# Altium PCB GL3520.PcbDoc
Units mm, origin at the board's own origin, x right, y up, seen from the top; angles counter-clockwise.
Board outline 100 x 30 mm, 2 copper layers (Top Layer, Bottom Layer), stack 1.135 mm thick; 80 components, 78 nets, 351 pads, 143 vias.
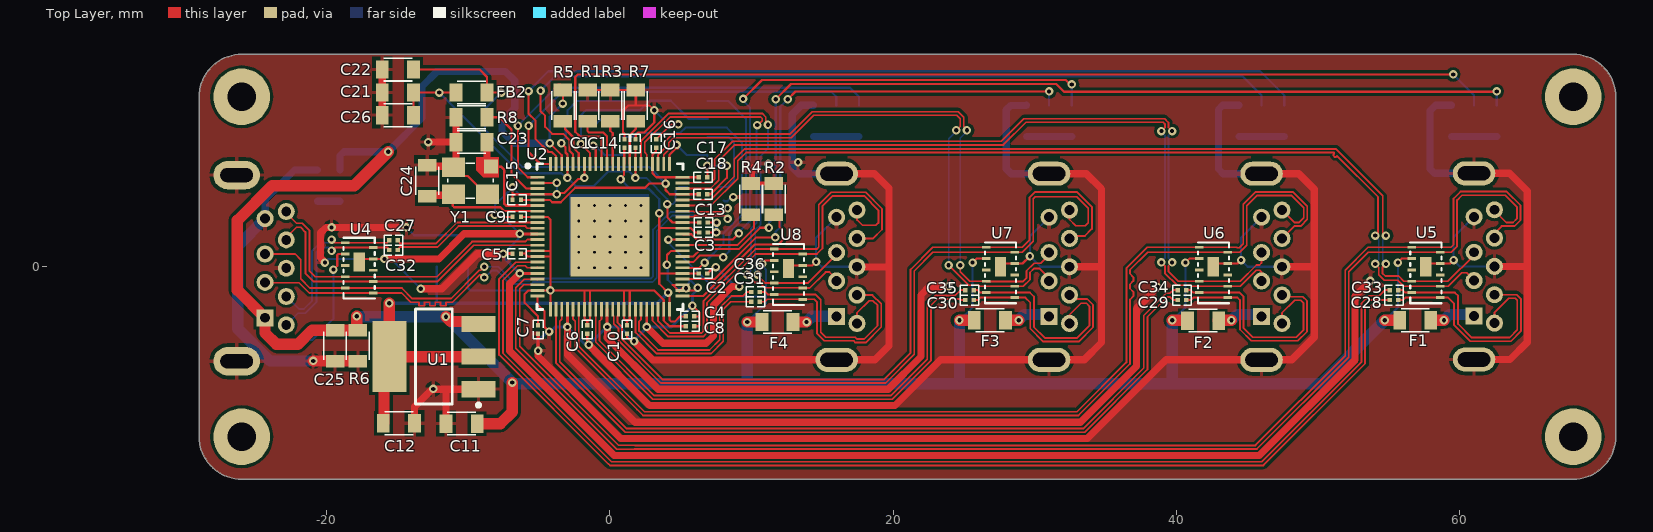
[diagram p0: Top Layer view]
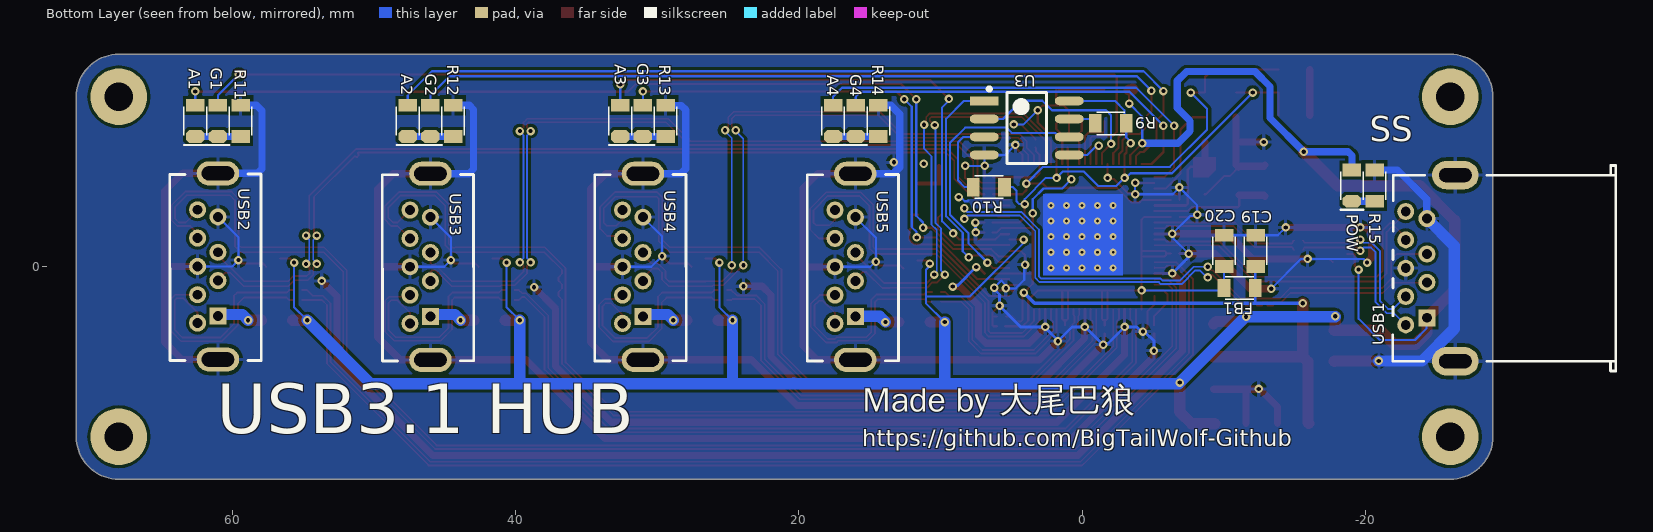
[diagram p1: Bottom Layer view, seen from below]
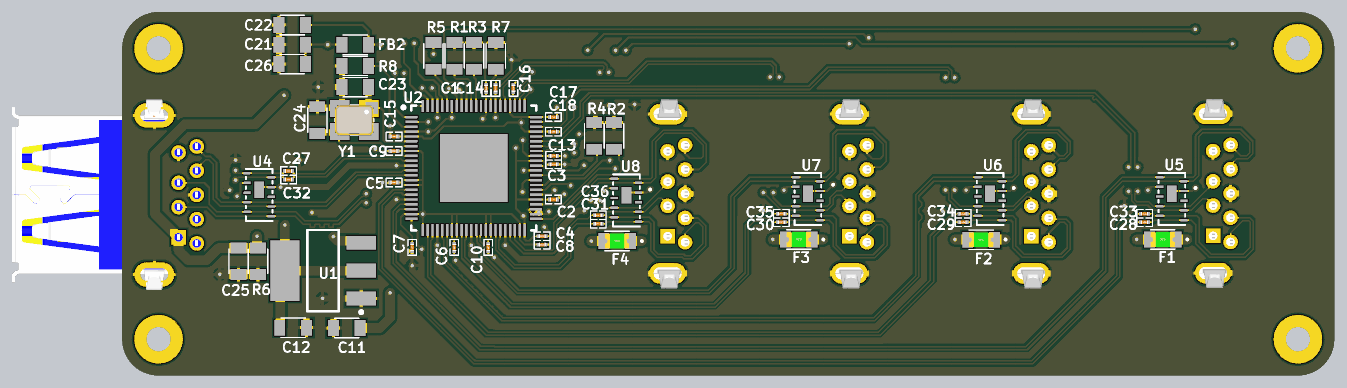
[diagram p2: 3D render of the assembled board from above, using the file's embedded part models]
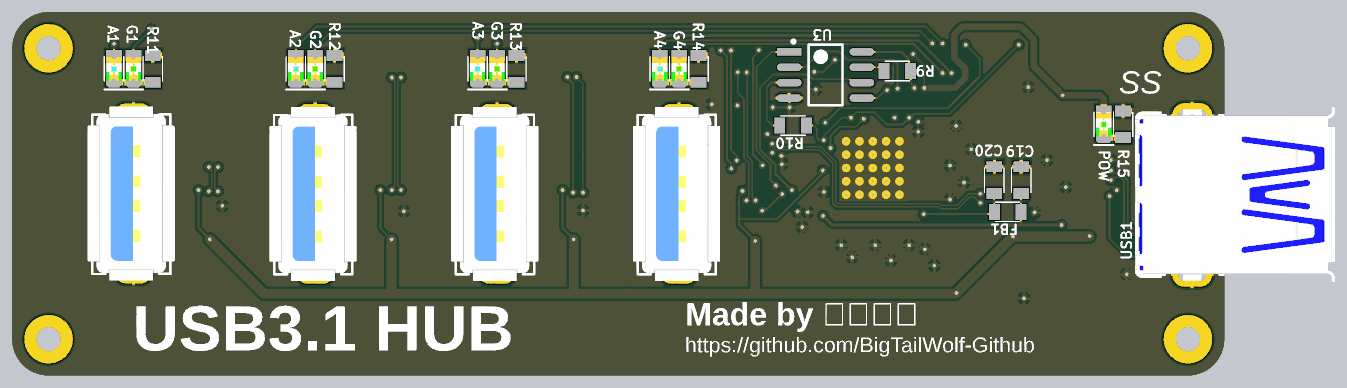
[diagram p3: 3D render of the assembled board from below, using the file's embedded part models]

## Layer stack, top to bottom
Top Solder: solder mask 0.0102, Solder Resist, Dk 3.5
Top Layer: signal copper 0.035
Dielectric 1: dielectric 1.065, FR-4, Dk 4.8
Bottom Layer: signal copper 0.035
Bottom Solder: solder mask 0.0102, Solder Resist, Dk 3.5

## Board outline
-29,-12 -29,12 cw(c-26,12) -26,15 68,15 cw(c68,12) 71,12 71,-12 cw(c68,-12) 68,-15 -26,-15 cw(c-26,-12)

## Design rules (kind name [scope] priority, off if disabled: settings)
Clearance [All] p1: gap=0.127 ignorepadtopadclearanceinfootprint=TRUE except(0.203: Arc-Poly Track-Poly SMDPad-Poly THPad-Poly Via-Poly Fill-Poly Poly-Poly Poly-Region Poly-Text Poly-Hole)
DiffPairsRouting [All] p1: maxlimit=0.254 minlimit=0.127 mostfreqgap=0.127 toplayer_minwidth=0.127 toplayer_maxwidth=0.381 toplayer_prefwidth=0.127 bottomlayer_minwidth=0.127 bottomlayer_maxwidth=0.381 bottomlayer_prefwidth=0.127 maxuncoupledlength=12.7
MatchedLengths MatchedLengths_USB_DiffPairs_9 [InxSignalClass('USB_CHUSB1_1_DL') OR InxSignalClass('USB_CHUSB1_1_RX') OR InxSignalClass('USB_CHUSB1_1_TX') OR InxSignalClass('USB_CHUSB2_1_DL') OR InxSignalClass('USB_CHUSB2_1_RX') OR InxSignalClass('USB_CHUSB2_1_TX') OR InxSignalClass('USB_CHUSB3_1_DL') OR InxSignalClass('USB_CHUSB3_1_RX') OR InxSignalClass('USB_CHUSB3_1_TX') OR InxSignalClass('USB_CHUSB4_1_DL') OR InxSignalClass('USB_CHUSB4_1_RX') OR InxSignalClass('USB_CHUSB4_1_TX') OR InxSignalClass('USB_CHUSB5_1_DL') OR InxSignalClass('USB_CHUSB5_1_RX') OR InxSignalClass('USB_CHUSB5_1_TX')] p1: tolerance=0.127 checknetsindiffpair=TRUE checkdiffpairvsdiffpair=FALSE checkxsignals=FALSE checkothers=FALSE
MatchedLengths MatchedLengths_USB_DiffPairs_8 [InxSignalClass('USB_CHUSB4_1_DL') OR InxSignalClass('USB_CHUSB4_1_RX') OR InxSignalClass('USB_CHUSB4_1_TX')] p2: tolerance=0.127 checknetsindiffpair=TRUE checkdiffpairvsdiffpair=FALSE checkxsignals=FALSE checkothers=FALSE
MatchedLengths MatchedLengths_USB_DiffPairs_7 [InxSignalClass('USB_CHUSB3_1_DL') OR InxSignalClass('USB_CHUSB3_1_RX') OR InxSignalClass('USB_CHUSB3_1_TX')] p3: tolerance=0.127 checknetsindiffpair=TRUE checkdiffpairvsdiffpair=FALSE checkxsignals=FALSE checkothers=FALSE
MatchedLengths MatchedLengths_USB_DiffPairs_6 [InxSignalClass('USB_CHUSB2_1_DL') OR InxSignalClass('USB_CHUSB2_1_RX') OR InxSignalClass('USB_CHUSB2_1_TX')] p4: tolerance=0.127 checknetsindiffpair=TRUE checkdiffpairvsdiffpair=FALSE checkxsignals=FALSE checkothers=FALSE
MatchedLengths MatchedLengths_USB_DiffPairs_5 [All] p5: tolerance=0.127 checknetsindiffpair=TRUE checkdiffpairvsdiffpair=FALSE checkxsignals=FALSE checkothers=FALSE
MatchedLengths MatchedLengths_USB_DiffPairs_4 [InxSignalClass('USB_CHUSB1_1_DL') OR InxSignalClass('USB_CHUSB1_1_RX') OR InxSignalClass('USB_CHUSB1_1_TX')] p6: tolerance=0.127 checknetsindiffpair=TRUE checkdiffpairvsdiffpair=FALSE checkxsignals=FALSE checkothers=FALSE
MatchedLengths MatchedLengths_USB_DiffPairs_3 [InxSignalClass('USB_CHUSB1_1_DL') OR InxSignalClass('USB_CHUSB1_1_RX') OR InxSignalClass('USB_CHUSB1_1_TX')] p7: tolerance=0.127 checknetsindiffpair=TRUE checkdiffpairvsdiffpair=FALSE checkxsignals=FALSE checkothers=FALSE
MatchedLengths MatchedLengths_USB_DiffPairs_2 [InxSignalClass('USB_CHUSB1_1_DL') OR InxSignalClass('USB_CHUSB1_1_RX') OR InxSignalClass('USB_CHUSB1_1_TX') OR InxSignalClass('USB_CHUSB2_1_DL') OR InxSignalClass('USB_CHUSB2_1_RX') OR InxSignalClass('USB_CHUSB3_1_DL') OR InxSignalClass('USB_CHUSB3_1_RX') OR InxSignalClass('USB_CHUSB4_1_DL') OR InxSignalClass('USB_CHUSB4_1_RX') OR InxSignalClass('USB_CHUSB5_1_DL') OR InxSignalClass('USB_CHUSB5_1_RX')] p8: tolerance=0.127 checknetsindiffpair=TRUE checkdiffpairvsdiffpair=FALSE checkxsignals=FALSE checkothers=FALSE
MatchedLengths MatchedLengths_USB_DiffPairs_1 [InxSignalClass('USB_CHUSB1_1_DL_1') OR InxSignalClass('USB_CHUSB1_1_RX_1') OR InxSignalClass('USB_CHUSB1_1_TX_1') OR InxSignalClass('USB_CHUSB2_1_DL') OR InxSignalClass('USB_CHUSB2_1_RX_1') OR InxSignalClass('USB_CHUSB3_1_DL') OR InxSignalClass('USB_CHUSB3_1_RX_1') OR InxSignalClass('USB_CHUSB4_1_DL') OR InxSignalClass('USB_CHUSB4_1_RX_1') OR InxSignalClass('USB_CHUSB5_1_DL') OR InxSignalClass('USB_CHUSB5_1_RX_1')] p9: tolerance=0.127 checknetsindiffpair=TRUE checkdiffpairvsdiffpair=FALSE checkxsignals=FALSE checkothers=FALSE
MatchedLengths MatchedLengths_USB_DiffPairs [InxSignalClass('USB_CHUSB1_1_DL') OR InxSignalClass('USB_CHUSB1_1_RX') OR InxSignalClass('USB_CHUSB1_1_TX') OR InxSignalClass('USB_CHUSB2_1_RX') OR InxSignalClass('USB_CHUSB2_1_TX') OR InxSignalClass('USB_CHUSB3_1_RX') OR InxSignalClass('USB_CHUSB3_1_TX') OR InxSignalClass('USB_CHUSB4_1_RX') OR InxSignalClass('USB_CHUSB4_1_TX') OR InxSignalClass('USB_CHUSB5_1_RX') OR InxSignalClass('USB_CHUSB5_1_TX')] p10: tolerance=0.127 checknetsindiffpair=TRUE checkdiffpairvsdiffpair=FALSE checkxsignals=FALSE checkothers=FALSE
PolygonConnect [All] p1: connectstyle=Relief reliefconductorwidth=0.254 reliefentries=4 polygonreliefangle="90 Angle" airgapwidth=0.254
RoutingVias [All] p1: holewidth=0.3 width=0.6 viastyle="Through Hole" minholewidth=0.3 minwidth=0.6 maxholewidth=0.6 maxwidth=1.27
SolderMaskExpansion [All] p1: expansion=0.102
Width [All] p1: maxlimit=2 minlimit=0.152 preferedwidth=0.254
29 further rules are at their usual default settings.

## Classes and differential pairs
differential pair TX_UPE: +TX_UPE_P -TX_UPE_N
differential pair TX_DS4E: +TX_DS4E_P -TX_DS4E_N
differential pair TX_DS3E: +TX_DS3E_P -TX_DS3E_N
differential pair TX_DS2E: +TX_DS2E_P -TX_DS2E_N
differential pair TX_DS1E: +TX_DS1E_P -TX_DS1E_N
differential pair D4: +D4_P -D4_N
differential pair D3: +D3_P -D3_N
differential pair D2: +D2_P -D2_N
differential pair D1: +D1_P -D1_N
differential pair D0: +D0_P -D0_N
differential pair TX_DS4: +TX_DS4_P -TX_DS4_N
differential pair TX_DS3: +TX_DS3_P -TX_DS3_N
differential pair TX_DS2: +TX_DS2_P -TX_DS2_N
differential pair TX_DS1: +TX_DS1_P -TX_DS1_N
differential pair RX_UP: +RX_UP_P -RX_UP_N
differential pair RX_DS4: +RX_DS4_P -RX_DS4_N
differential pair RX_DS3: +RX_DS3_P -RX_DS3_N
differential pair RX_DS2: +RX_DS2_P -RX_DS2_N
differential pair RX_DS1: +RX_DS1_P -RX_DS1_N
differential pair TX_UP: +TX_UP_P -TX_UP_N

## Components (designator, comment, footprint, x,y, rotation, side; value= is the part's Value field where it differs from the comment)
A1 "SMD-LED_Orige" SMD-LED-0805Y 62.602,10.3 r270 bottom locked
A2 "SMD-LED_Orige" SMD-LED-0805Y 47.602,10.3 r270 bottom locked
A3 "SMD-LED_Orige" SMD-LED-0805Y 32.602,10.3 r270 bottom locked
A4 "SMD-LED_Orige" SMD-LED-0805Y 17.577,10.3 r270 bottom locked
C1 "104" SMD-C-0201 1.025,8.7 r270 top locked
C2 "104" SMD-C-0201 6.575,-0.475 r180 top locked
C3 "104" SMD-C-0201 6.6,2.425 r180 top locked
C4 "104" SMD-C-0201 5.65,-3.5 r180 top locked
C5 "104" SMD-C-0201 -6.575,0.925 r0 top locked
C6 "104" SMD-C-0201 -1.6,-4.425 r90 top locked
C7 "104" SMD-C-0201 -5.075,-4.425 r90 top locked
C8 "104" SMD-C-0201 5.65,-4.2 r180 top locked
C9 "104" SMD-C-0201 -6.575,3.525 r0 top locked
C10 "104" SMD-C-0201 1.2,-4.425 r90 top locked
C11 "SMD-C-0805" SMD-C-0805 -10.475,-11.075 r0 top locked value=106
C12 "SMD-C-0805" SMD-C-0805 -14.9,-11.05 r180 top locked value=22uF
C13 "104" SMD-C-0201 6.6,3.125 r180 top locked
C14 "104" SMD-C-0201 1.8,8.7 r270 top locked
C15 "104" SMD-C-0201 -6.575,4.725 r0 top locked
C16 "104" SMD-C-0201 3.275,8.7 r270 top locked
C17 "104" SMD-C-0201 6.575,6.325 r180 top locked
C18 "104" SMD-C-0201 6.575,5.125 r180 top locked
C19 "10uF" SMD-C-0805 -12.25,1.125 r270 bottom locked value=XXpF
C20 "10uF" SMD-C-0805 -10.025,1.125 r270 bottom locked value=XXpF
C21 "10uF" SMD-C-0805 -14.975,12.3 r0 top locked value=XXpF
C22 "10uF" SMD-C-0805 -14.975,13.925 r0 top locked value=XXpF
C23 "SMD-C-0805" SMD-C-0805 -9.775,8.8 r0 top locked value=12PF
C24 "SMD-C-0805" SMD-C-0805 -12.9,6.075 r270 top locked value=12PF
C25 "SMD-C-0805" SMD-C-0805 -19.4,-5.575 r90 top locked value=105
C26 "104" SMD-C-0805 -14.975,10.7 r0 top locked value=XXpF
C27 "104" SMD-C-0201 -15.275,1.875 r0 top locked
C28 "104" SMD-C-0201 55.35,-2.35 r180 top locked
C29 "104" SMD-C-0201 40.375,-2.35 r180 top locked
C30 "104" SMD-C-0201 25.375,-2.35 r180 top locked
C31 "104" SMD-C-0201 10.275,-2.475 r180 top locked
C32 "104" SMD-C-0201 -15.275,1.175 r0 top locked
C33 "104" SMD-C-0201 55.35,-1.65 r180 top locked
C34 "104" SMD-C-0201 40.375,-1.65 r180 top locked
C35 "104" SMD-C-0201 25.375,-1.65 r180 top locked
C36 "104" SMD-C-0201 10.275,-1.775 r180 top locked
F1 "1.1A" SMD-F-0805 56.85,-3.775 r0 top locked
F2 "1.1A" SMD-F-0805 41.875,-3.8 r0 top locked
F3 "1.1A" SMD-F-0805 26.825,-3.775 r0 top locked
F4 "1.1A" SMD-F-0805 11.825,-3.9 r0 top locked
FB1 "XXuH" SMD-L-0805 -11.125,-1.5 r180 bottom locked
FB2 "XXuH" SMD-L-0805 -9.775,12.3 r180 top locked
G1 "SMD-LED_Green" SMD-LED-0805G 61.002,10.3 r270 bottom locked
G2 "SMD-LED_Green" SMD-LED-0805G 46.002,10.3 r270 bottom locked
G3 "SMD-LED_Green" SMD-LED-0805G 31.002,10.3 r270 bottom locked
G4 "SMD-LED_Green" SMD-LED-0805G 15.977,10.3 r270 bottom locked
POW "SMD-LED_Blue" SMD-LED-0805B -19.05,5.725 r270 bottom locked (schematic designator LED9)
R1 "10K" SMD-R-0805 -1.575,11.375 r270 top locked value=??K
R2 "10K" SMD-R-0805 11.575,4.775 r270 top locked value=??K
R3 "10K" SMD-R-0805 0.025,11.375 r270 top locked value=??K
R4 "10K" SMD-R-0805 9.95,4.775 r270 top locked value=??K
R5 "10K" SMD-R-0805 -3.325,11.375 r90 top locked value=??K
R6 "10K" SMD-R-0805 -17.8,-5.575 r90 top locked value=??K
R7 "100K" SMD-R-0805 1.825,11.375 r270 top locked value=??K
R8 "680" SMD-R-0805 -9.775,10.55 r0 top locked value=??K
R9 "10K" SMD-R-0805 -2.025,10.125 r180 bottom locked value=??K
R10 "10K" SMD-R-0805 6.575,5.625 r0 bottom locked value=??K
R11 "680" SMD-R-0805 59.402,10.3 r270 bottom locked value=??K
R12 "680" SMD-R-0805 44.402,10.3 r270 bottom locked value=??K
R13 "680" SMD-R-0805 29.402,10.3 r270 bottom locked value=??K
R14 "680" SMD-R-0805 14.377,10.3 r270 bottom locked value=??K
R15 "680" SMD-R-0805 -20.65,5.725 r270 bottom locked value=??K
U1 "AMS1117 5.0" SOT-223 -12.429,-6.34 r90 top locked
U2 "GL3520" SMD-QFN88 0,2.125 r0 top locked
U3 "PM25LD512" SMD-SOP8 3.9,9.8 r180 bottom locked
U4 "AZ1065-06F" SMD-U-DFN4120P10E -17.7,-0.1 r0 top locked
U5 "AZ1065-06F" SMD-U-DFN4120P10E 57.6,-0.425 r0 top locked
U6 "AZ1065-06F" SMD-U-DFN4120P10E 42.6,-0.425 r0 top locked
U7 "AZ1065-06F" SMD-U-DFN4120P10E 27.575,-0.425 r0 top locked
U8 "AZ1065-06F" SMD-U-DFN4120P10E 12.6,-0.55 r0 top locked
USB1 "USB3.0-A" DIP-USB3.0-AF90 -24.6,-0.1 r90 bottom locked
USB2 "USB3.0-A" DIP-USB3.0-M-LI 61,0.025 r90 bottom locked
USB3 "USB3.0-A" DIP-USB3.0-M-LI 46,0 r90 bottom locked
USB4 "USB3.0-A" DIP-USB3.0-M-LI 31,0 r90 bottom locked
USB5 "USB3.0-A" DIP-USB3.0-M-LI 16,0 r90 bottom locked
Y1 "SMT-XTAL-3225" SMD-XTAL-3225 -9.85,6.075 r180 top locked value=25MHz

## Footprints (in the part's own frame and the unit in brackets; to place one, negate y for a bottom-side part, rotate by r counter-clockwise, add the part's x,y. Pads: shape width x height; smd on the part's side, far side on the other; paste and mask are expansions set on the pad)
DIP-USB3.0-AF90 [mm] "Connector; USB1.1, Type A, Thru-Hole; 4 Position; Right Angle"
  rect 1.2x1.2 hole 0.7: 1(-3.5,0.25)
  round 1.2 hole 0.7: 2(-1,0.25) 3(1,0.25) 4(3.5,0.25) 5(4,1.75) 6(2,1.75) 7(0,1.75) 8(-2,1.75) 9(-4,1.75)
  oval 2x3.3 hole 2.3 slot 1 at 0 deg: 10(-6.57,-1.75) 11(6.57,-1.75)
  silkscreen extent -7.25,-13.07 7.25,2.67, body extent -7.83,-13.54 7.87,2.96, height 7.77
DIP-USB3.0-M-LI [mm]
  rect 1.2x1.2 hole 0.7: 1(-3.5,0)
  round 1.2 hole 0.7: 2(-1,0) 3(1,0) 4(3.5,0) 5(4,1.44) 6(2,1.44) 7(0,1.44) 8(-2,1.44) 9(-4,1.44)
  oval 1.7x3 hole 2.3 slot 1 at 0 deg: G1(-6.57,0) G2(6.57,0)
  silkscreen extent -6.64,-3.05 6.52,3.4, body extent -7.81,-3.41 7.79,3.79, height 15
SMD-C-0201 [mm] "无极性贴片电容"
  rect 0.3x0.3 smd: 1(-0.3,0) 2(0.3,0)
  silkscreen extent -0.65,-0.35 0.65,0.35, body extent -0.3,-0.16 0.3,0.16, height 0.31
SMD-C-0805 [mm]
  rect 0.9x1.3 smd: 1(-1.1,0) 2(1.1,0)
  silkscreen extent -1,-0.8 1,0.8, body extent -1,-0.59 1,0.62, height 0.61
SMD-F-0805 [mm]
  rect 0.9x1.3 smd: 1(-1.1,0) 2(1.1,0)
  silkscreen extent -1,-0.8 1,0.8, body extent -1,-0.61 1,0.61, height 0.52
SMD-L-0805 [mm] "0805磁珠"
  rect 0.9x1.3 smd: 1(-1.1,0) 2(1.1,0)
  silkscreen extent -1,-0.8 1,0.8, body extent -1,-0.61 1,0.6, height 0.5
SMD-LED-0805B [mm] "蓝色0805LED"
  rect 0.9x1.3 smd: 1(-1.1,0.002)
  oct 0.9x1.3 smd: 2(1.1,0.002)
  silkscreen extent -1,-0.8 1.7,0.8, body extent -1,-0.63 1,0.63, height 0.8
SMD-LED-0805G [mm] "绿色0805LED"
  rect 0.9x1.3 smd: 1(-1.1,0.002)
  oct 0.9x1.3 smd: 2(1.1,0.002)
  silkscreen extent -1,-0.8 1.7,0.8, body extent -1,-0.63 1,0.63, height 0.8
SMD-LED-0805Y [mm] "黄色0805LED"
  rect 0.9x1.3 smd: 1(-1.1,0.002)
  oct 0.9x1.3 smd: 2(1.1,0.002)
  silkscreen extent -1,-0.8 1.7,0.8, body extent -1,-0.63 1,0.63, height 0.8
SMD-QFN88 [mm] "QFN, 88-Leads, Body 10.00x10.00mm, Pitch 0.40mm, Thermal Pad 5.60x5.60mm, IPC Low Density"
  rect 1x0.2 smd: 1(-5.125,4.2) 2(-5.125,3.8) 3(-5.125,3.4) 4(-5.125,3) 5(-5.125,2.6) 6(-5.125,2.2) 7(-5.125,1.8) 8(-5.125,1.4) 9(-5.125,1) 10(-5.125,0.6) 11(-5.125,0.2) 12(-5.125,-0.2) 13(-5.125,-0.6) 14(-5.125,-1) 15(-5.125,-1.4) 16(-5.125,-1.8) 17(-5.125,-2.2) 18(-5.125,-2.6) 19(-5.125,-3) 20(-5.125,-3.4) 21(-5.125,-3.8) 22(-5.125,-4.2) 45(5.125,-4.2) 46(5.125,-3.8) 47(5.125,-3.4) 48(5.125,-3) 49(5.125,-2.6) 50(5.125,-2.2) 51(5.125,-1.8) 52(5.125,-1.4) 53(5.125,-1) 54(5.125,-0.6) 55(5.125,-0.2) 56(5.125,0.2) 57(5.125,0.6) 58(5.125,1) 59(5.125,1.4) 60(5.125,1.8) 61(5.125,2.2) 62(5.125,2.6) 63(5.125,3) 64(5.125,3.4) 65(5.125,3.8) 66(5.125,4.2)
  rect 0.2x1 smd: 23(-4.2,-5.125) 24(-3.8,-5.125) 25(-3.4,-5.125) 26(-3,-5.125) 27(-2.6,-5.125) 28(-2.2,-5.125) 29(-1.8,-5.125) 30(-1.4,-5.125) 31(-1,-5.125) 32(-0.6,-5.125) 33(-0.2,-5.125) 34(0.2,-5.125) 35(0.6,-5.125) 36(1,-5.125) 37(1.4,-5.125) 38(1.8,-5.125) 39(2.2,-5.125) 40(2.6,-5.125) 41(3,-5.125) 42(3.4,-5.125) 43(3.8,-5.125) 44(4.2,-5.125) 67(4.2,5.125) 68(3.8,5.125) 69(3.4,5.125) 70(3,5.125) 71(2.6,5.125) 72(2.2,5.125) 73(1.8,5.125) 74(1.4,5.125) 75(1,5.125) 76(0.6,5.125) 77(0.2,5.125) 78(-0.2,5.125) 79(-0.6,5.125) 80(-1,5.125) 81(-1.4,5.125) 82(-1.8,5.125) 83(-2.2,5.125) 84(-2.6,5.125) 85(-3,5.125) 86(-3.4,5.125) 87(-3.8,5.125) 88(-4.2,5.125)
  rect 5.6x5.6 smd: 89(0,0)
  silkscreen extent -5.92,-5.15 5.15,5.15, body extent -5.02,-5.02 5.02,5.02, height 0.25
SMD-R-0805 [mm]
  rect 0.9x1.3 smd: 1(-1.1,0) 2(1.1,0)
  silkscreen extent -1,-0.8 1,0.8, body extent -1,-0.62 1,0.59, height 0.5
SMD-SOP8 [mil]
  rect 80x24 smd: 1(-118.11,75)
  oval 80x24 smd: 2(-118.11,25) 3(-118.11,-25) 4(-118.11,-75) 5(118.11,-75) 6(118.11,-25) 7(118.11,25) 8(118.11,75)
  silkscreen extent -109,-98 55,113, body extent -120,-96 120,97, height 59
SMD-U-DFN4120P10E [mm]
  rect 0.6x0.2 smd: 1(-1,-1.4) 2(1,-1.75) 3(-1,-0.6) 4(1,-0.95) 5(1,1.45) 6(-1,1.8) 7(1,0.65) 8(-1,1) 9(-1,0.2) 10(1,-0.15)
  rect 0.8x1.35 smd: 11(0,0.425)
  silkscreen extent -1.1,-2.15 1.1,2.15, body extent -1,-2.05 1,2.05, height 0.4
SMD-XTAL-3225 [mm]
  rect 1x1 smd: 1(-1.44,-1)
  rect 1.6x1.4 smd: 2(1.2,-0.95) 3(1.2,0.95) 4(-1.2,0.95)
  Top Layer region: -2,-0.25 -2,-1.65 -0.4,-1.65 -0.4,-0.75 -0.9,-0.25
  silkscreen extent -1.6,-1.25 1.6,1.25, body extent -1.6,-1.25 1.6,1.25, height 0.61
SOT-223 [mm]
  rect 5x2.4 smd: 0(0,3.15)
  rect 1.15x2.4 smd: 1(-2.3,-3.15) 2(0,-3.15) 3(2.3,-3.15)
  silkscreen extent -3.55,-3.27 3.35,1.3, body extent -3.41,-3.45 3.3,3.7, height 2.66

## Part data
C1 C2 C3 C4 C5 C6 C7 C8 C9 C10 C13 C14 C15 C16 C17 C18 C27 C28 C29 C30 C31 C32 C33 C34 C35 C36: library part SMD-C-0201
C19 C20 C21 C22 C26: library part SMD-C-0805, "贴片瓷片电容"
F1 F2 F3 F4: library part SMD-F-0805, "保险丝贴片自恢复"
FB1 FB2: library part SMD-L-0805, "磁珠"
R1 R2 R3 R4 R5 R6 R7 R8 R9 R10 R11 R12 R13 R14 R15: library part SMD-R-0805
U1: library part SMD-IC-AMS1117
U2: library part SMD-IC-GL3520-QFN88, "USB3.0 HUB controller"
U3: library part SMD-IC-PM25LD512, "flashоƬ"
U4 U5 U6 U7 U8: library part SMD-IC-AZ1065-06F, "TVS阵列保护"
USB1: library part DIP-USB3.-AF90
USB2 USB3 USB4 USB5: library part DIP-USB3.0
Y1: "晶振"

## Free pads (board coordinates)
  round 4 hole 2: ""(-26,-12) ""(-26,12) ""(68,-12) ""(68,12)

## Via types
v1: diameter 0.6, hole 0.3, Top Layer to Bottom Layer, tented both sides, 118 vias
v2: diameter 0.5, hole 0.2, Top Layer to Bottom Layer, 25 vias

## Nets (pads, with @x,y where several pads share a name; then routed paths per layer and width w, separated by ;. In a path a pad name is that pad's centre, name@x,y a point inside that pad or via, vN(x,y) a via of type N, cw(c..) or ccw(c..) an arc to the next point about the centre after c; other vN are vias at no path point)
A1V2: C5.2 C6.2 C7.2 C8.2 C9.2 C10.2 C20.2 FB1.1 U2.8 U2.14 U2.15 U2.21 U2.23 U2.29 U2.30 U2.36 U2.37 U2.43 | length 45.7
  Top Layer w0.152: C5.2 -5.925,0.925 ; C9.2 U2.8 -4.4,3.525 -4.2,3.325 -4.2,1.125 ; C7.2 -5.075,-3.5 -6.025,-2.55 -6.025,-1.925 -5.775,-1.675 U2.21 v1(-4.2,-1.675) ; U2.23 v1(-4.2,-1.675) ; C6.2 -1.6,-3.775 ; C10.2 1.2,-3.775 ; C8.2@5.425,-4.2 C8.2 4.2,-4.2 3.8,-3.8 U2.43 3.8,-2.35 3.125,-1.675 1.4,-1.675 ; -5.925,0.925 -5.925,1.025 -5.825,1.125 U2.14 -4.2,1.125 ; -5.925,0.925 -5.925,0.825 -5.825,0.725 U2.15 -4.2,0.725 ; v1(-4.2,-1.675) -4.2,0.725 ; v1(-4.2,-1.675) -1.825,-1.675 ; -4.2,0.725 -4.2,1.125 ; -1.825,-1.675 -1.4,-1.675 ; -1.825,-1.675 -1.8,-1.7 U2.29 -1.8,-3.675 -1.7,-3.775 -1.6,-3.775 ; -1.6,-3.775 -1.5,-3.775 -1.4,-3.675 U2.30 -1.4,-1.675 ; -1.4,-1.675 1,-1.675 ; 1,-1.675 1.4,-1.675 ; 1,-1.675 U2.36 1,-3.675 1.1,-3.775 1.2,-3.775 ; 1.2,-3.775 1.3,-3.775 1.4,-3.675 U2.37 1.4,-1.675
  Bottom Layer w0.152: C20.2 FB1.1 -9.85,-1.675 v1(-4.2,-1.675)
A3V3: C15.2 C16.2 C17.2 C18.2 C22.2 FB2.1 U2.5 U2.63 U2.66 U2.70 | length 44.5
  Top Layer w0.152: C22.2 -9.2,13.925 -8.675,13.4 FB2.1 v1(-7.675,12.3) ; C15.2 U2.5 -4.25,4.725 -4.075,4.55 -3.475,4.55 -2.45,5.575 2.475,5.575 2.775,5.875 v1(3.925,5.875) ; C16.2 3.251,8.376 3.251,8.151 3,7.9 U2.70 3,6.6 3.275,6.325 3.925,6.325 ; C18.2 U2.63 4.225,5.125 3.925,5.425 v1(3.925,5.875) ; C17.2 U2.66 3.925,6.325 ; v1(3.925,5.875) 3.925,6.325
  Bottom Layer w0.152: v1@-7.725,12.35 v1(-7.675,12.3) -8.825,11.15 -8.825,9.675 -6.2,7.05 2.75,7.05 v1(3.925,5.875)
AMBER1: A1.1 U2.52 | length 68.8
  Top Layer w0.152: U2.52 5.88,0.725 6.4,1.246 9.103,1.246 10.607,2.75 v1(11.225,2.75) ; v1(11.7,11.825) 12.775,12.9 31.5,12.9 32.05,12.35 62.575,12.35 v1(62.6,12.375)
  Bottom Layer w0.152: v1(11.225,2.75) 11.225,3.125 11.7,3.6 v1(11.7,11.825) ; A1.1 v1(62.6,12.375)
AMBER2: A2.1 U2.87 | length 61.4
  Top Layer w0.152: v1(-5.75,12.4) -5.75,10.8 -5.247,10.297 -5.247,9.01 -4.337,8.1 -4.1,8.1 -3.8,7.8 U2.87
  Bottom Layer w0.152: v1(-5.75,12.4) -4.347,13.803 45.897,13.803 47.6,12.1 A2.1
AMBER3: A3.1 U2.56 | length 39.7
  Top Layer w0.152: U2.56 5.149,2.301 5.749,2.301 6.128,1.922 8.672,1.922 v1(9.1,2.35) ; v1(9.4,11.85) 10.729,13.179 32.174,13.179 32.479,12.875 v1(32.6,12.875)
  Bottom Layer w0.152: v1(9.1,2.35) 9.1,2.444 9.875,3.219 9.875,11.254 9.4,11.729 v1(9.4,11.85) ; A3.1 v1(32.6,12.875)
AMBER4: A4.1 U2.1 | length 30.6
  Top Layer w0.152: v1(-6.5,9.95) -6.5,7.025 -5.8,6.325 U2.1
  Bottom Layer w0.152: v1(-6.5,9.95) -3.818,12.633 16.942,12.633 17.575,12 A4.1
D0_N: U2.59 U4.2 USB1.2 | length 43.5
  Top Layer w0.127: USB1.2 -24.325,-1.125 -21.95,-1.125 -21.225,-1.85 U4.2 -14.7,-1.85 -14.051,-2.499 -13.498,-2.499 -13.479,-2.518 -13.479,-2.734 -13.46,-2.753 -13.117,-2.753 -13.098,-2.734 -13.098,-2.518 -13.079,-2.499 -12.736,-2.499 -12.717,-2.518 -12.717,-2.734 -12.698,-2.753 -12.355,-2.753 -12.336,-2.734 -12.336,-2.518 -12.317,-2.499 -11.974,-2.499 -11.955,-2.518 -11.955,-2.734 -11.936,-2.753 -11.593,-2.753 -11.574,-2.734 -11.574,-2.518 -11.555,-2.499 -11.116,-2.499 -9.192,-0.575 -9.05,-0.575 v1(-8.875,-0.75) ; U2.59 5.9,3.525 5.996,3.621 8.104,3.621 v1@8.325,3.4
  Bottom Layer w0.127: v1(-8.875,-0.75) -8.812,-0.75 -8.316,-0.254 -8,-0.254 -7.035,-1.219 -5.57,-1.219 -5.429,-1.079 3.005,-1.079 3.3,-0.784 3.3,2.525 4.396,3.621 8.104,3.621 v1@8.325,3.4
  other v1: 8.3,3.375
D0_P: U2.60 U4.1 USB1.3 | length 43.6
  Top Layer w0.127: USB1.3 -22.225,0.9 -21.825,0.5 -21.825,-0.855 -21.18,-1.5 -14.691,-1.5 -13.945,-2.245 -11.222,-2.245 -9.226,-0.25 -9.125,-0.25 -8.937,-0.063 -8.9,-0.1 -8.875,-0.075 v1(-8.875,0) ; U2.60 5.925,3.925 5.975,3.875 8.097,3.875 8.322,4.1 8.3,4.122 v1(8.3,4.125)